# Altium PCB JD-ESPFSH-V1.PcbDoc
Units mm, origin at the board's own origin, x right, y up, seen from the top; angles counter-clockwise.
Board outline 46 x 16 mm, 2 copper layers (Top Layer, Bottom Layer); 19 components, 17 nets, 69 pads, 25 vias.
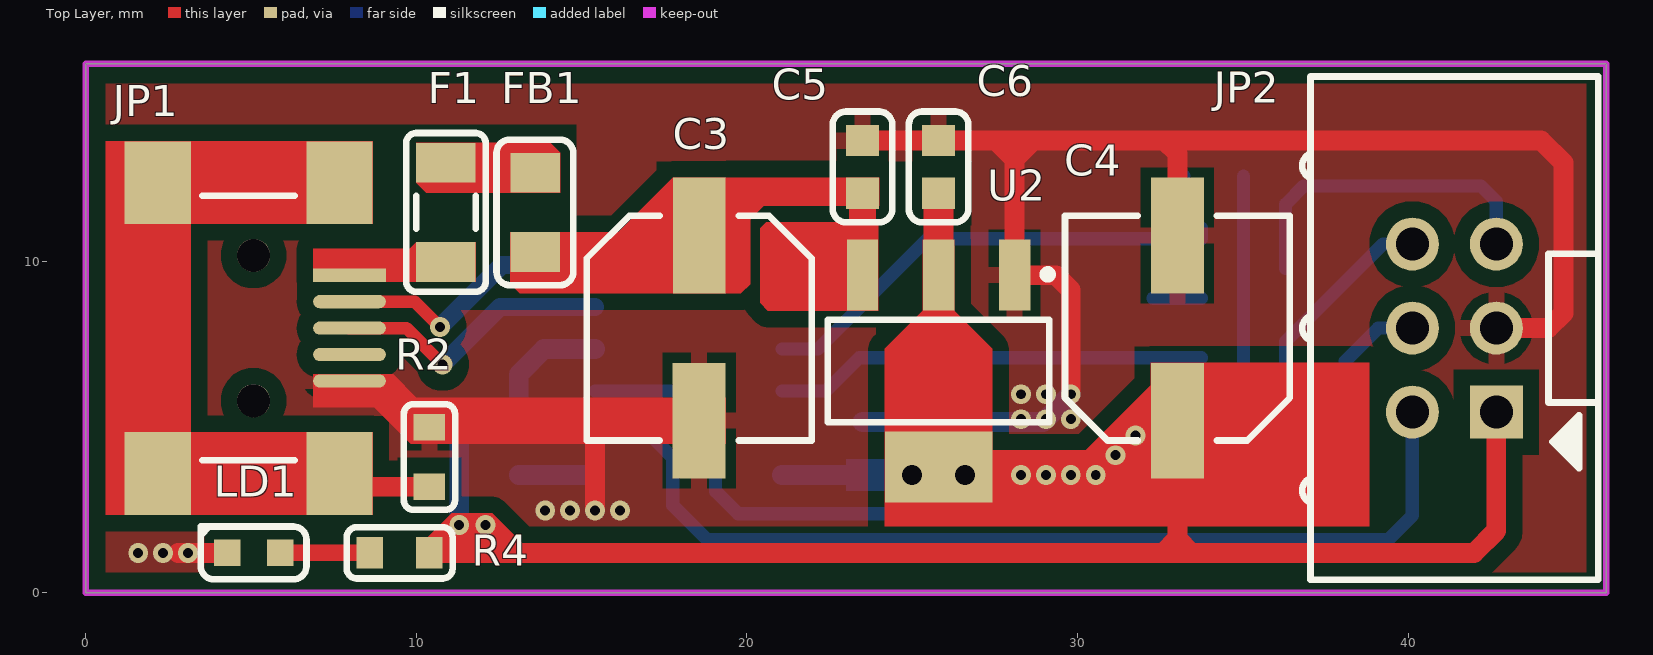
[diagram p0: Top Layer view]
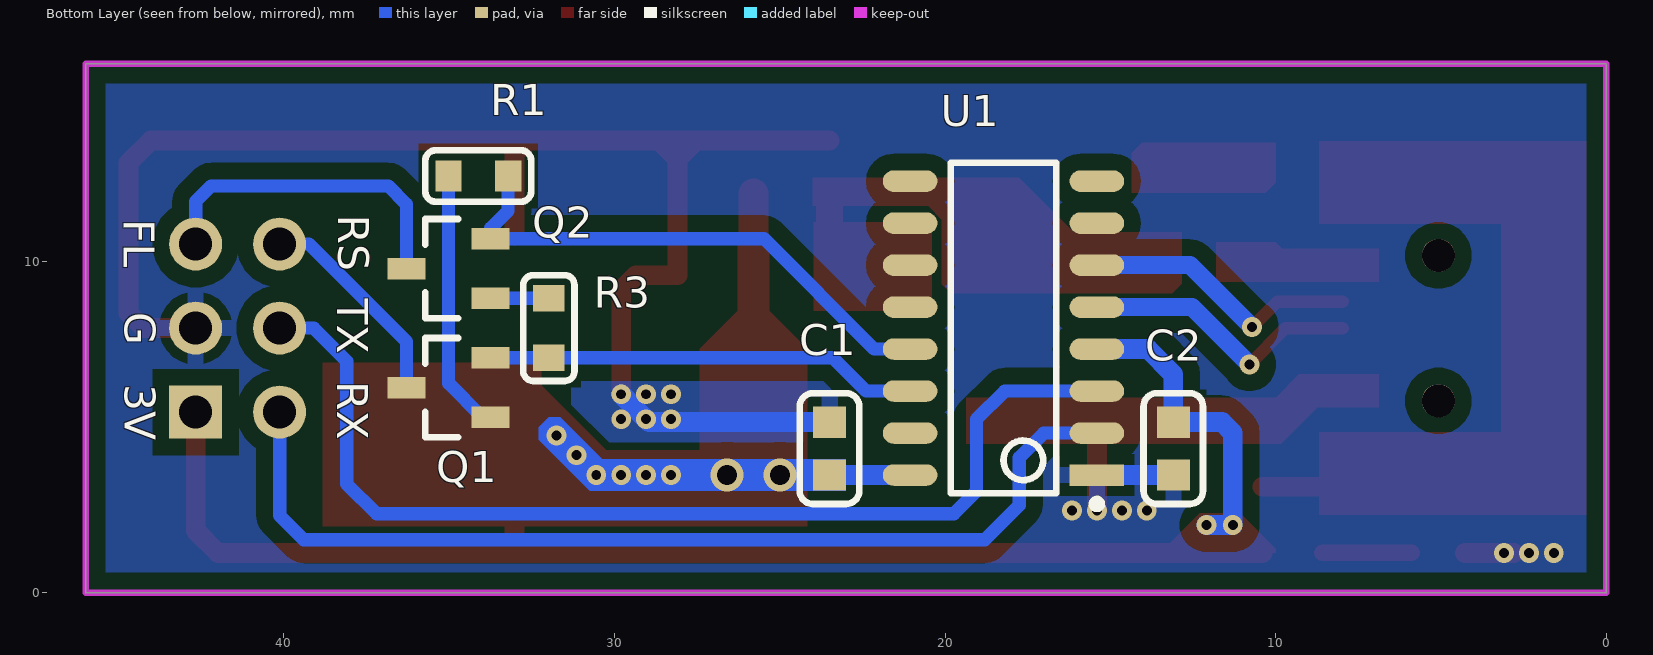
[diagram p1: Bottom Layer view, seen from below]
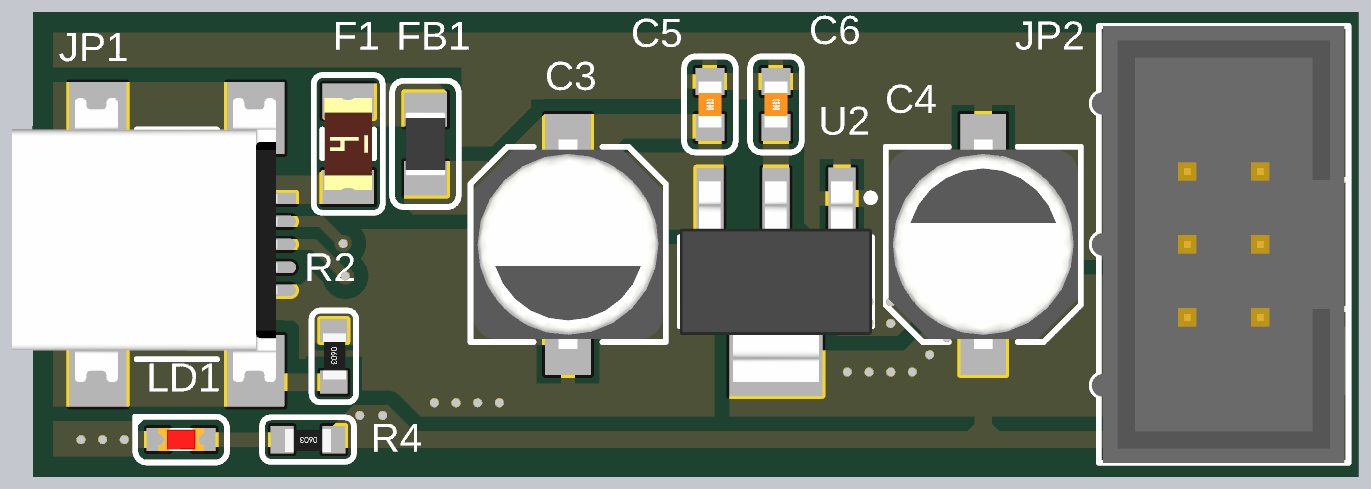
[diagram p2: 3D render of the assembled board from above, using the file's embedded part models]
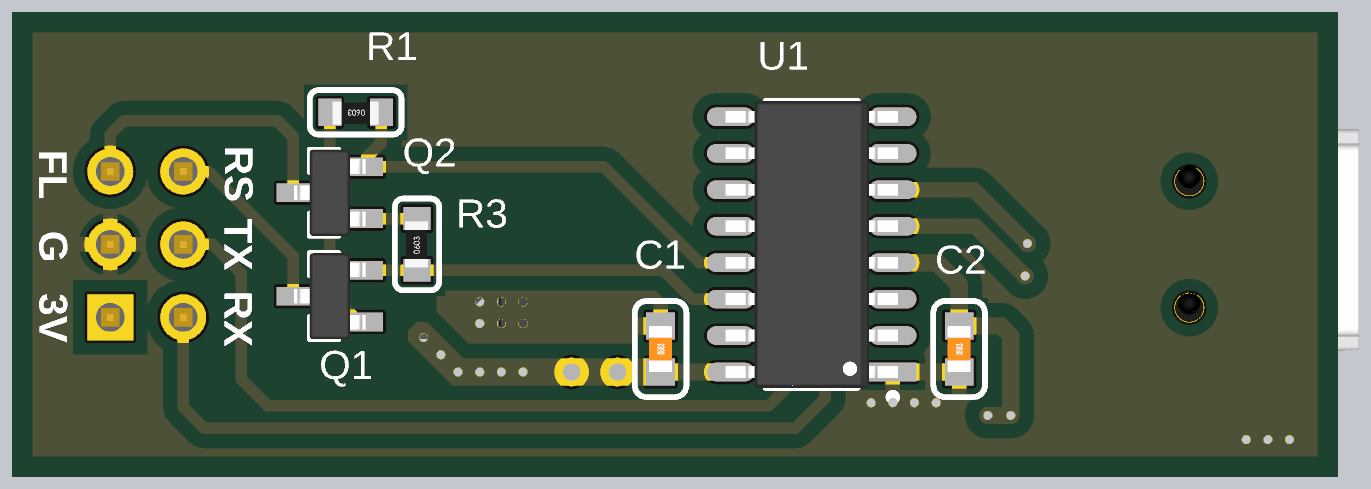
[diagram p3: 3D render of the assembled board from below, using the file's embedded part models]

## Layer stack, top to bottom
Top Solder: solder mask 0.0102, Solder Resist, Dk 3.5
Top Layer: signal copper 0.0356
Dielectric 1: dielectric 0.32, FR-4, Dk 4.8
Bottom Layer: signal copper 0.0356
Bottom Solder: solder mask 0.0102, Solder Resist, Dk 3.5

## Board outline
0,0 0,16 46,16 46,0

## Design rules (kind name [scope] priority, off if disabled: settings)
Clearance Clearance_Pour [(InPolygon AND InNet('GND'))] p1: gap=0.5 ignorepadtopadclearanceinfootprint=FALSE
Clearance [All] p2: gap=0.254 ignorepadtopadclearanceinfootprint=FALSE except(0: Arc-Hole Track-Hole SMDPad-Hole THPad-Hole Via-Hole Fill-Hole Poly-Hole Region-Hole Text-Hole)
DiffPairsRouting [All] p1: maxlimit=0.4 minlimit=0.3 mostfreqgap=0.381 toplayer_minwidth=0.3 toplayer_maxwidth=0.6 toplayer_prefwidth=0.4 bottomlayer_minwidth=0.3 bottomlayer_maxwidth=0.6 bottomlayer_prefwidth=0.4 maxuncoupledlength=12.7
MinimumSolderMaskSliver [All] p1: minsoldermaskwidth=0.127
PlaneConnect [All] p1: planeconnectstyle=Relief reliefexpansion=0.508 reliefentries=4 reliefconductorwidth=0.4 reliefairgap=0.254
PolygonConnect [All] p1: thpad.connectstyle=Relief thpad.reliefconductorwidth=0.5 thpad.reliefentries=4 thpad.polygonreliefangle="90 Angle" thpad.airgapwidth=0.3 smdpad.connectstyle=Relief smdpad.reliefconductorwidth=0.5 smdpad.reliefentries=4 smdpad.polygonreliefangle="90 Angle" smdpad.airgapwidth=0.3 via.connectstyle=Direct via.reliefconductorwidth=0.5 via.reliefentries=4 via.polygonreliefangle="90 Angle" via.airgapwidth=0.3
RoutingVias [All] p1: holewidth=0.3 width=0.6 viastyle="Through Hole" minholewidth=0.3 minwidth=0.6 maxholewidth=0.6 maxwidth=1
SilkToSilkClearance [All] p1: silktosilkclearance=0.2
SilkToSolderMaskClearance [IsPad] p1: minsilkscreentomaskgap=0.127 clearancetoexposedcopper=TRUE
SolderMaskExpansion [All] p1: expansion=0.102 istentingtop=FALSE
Width [All] p1: maxlimit=2 minlimit=0.254 preferedwidth=0.6
25 further rules are at their usual default settings.

## Classes and differential pairs
differential pair USB: +USB_P -USB_N

## Components (designator, comment, footprint, x,y, rotation, side; value= is the part's Value field where it differs from the comment)
C1 "100nF/16V" CAP-CER0603-0.8H 23.5,4.355 r90 bottom
C2 "100nF/16V" CAP-CER0603-0.8H 13.1,4.355 r90 bottom
C3 "100uF/16V" CAP-ALU-6.3D5.8H-SMD 18.559,8 r270 top
C4 "100uF/16V" CAP-ALU-6.3D5.8H-SMD 33.023,8 r90 top
C5 "100nF/16V" CAP-CER0603-0.8H 23.5,12.875 r90 top
C6 "100nF/16V" CAP-CER0603-0.8H 25.8,12.875 r90 top
F1 "6V/2A" FUS-PTC-SMD1206-1.6H 10.9,11.5 r90 top
FB1 "120mR/1.5A" IND-C0805-1.1H 13.59,11.5 r270 top
JP1 "MINI-B-RA-V1" CON-USB-MINI-B-RA-V1-SMD 3.806,8 r270 top
JP2 "IDC6S" CON-IDC6-2.54P9.3H-S-THR 41.4,8 r90 top
LD1 "RED" LED-IND0603-RED-0.6H 5.081,1.2 r180 top
Q1 "40V/0.6A" SOT23-3-1.1H 35.023,6.2 r0 bottom
Q2 "40V/0.6A" SOT23-3-1.1H 35.023,9.8 r0 bottom
R1 "1K" RES-CHP0603-0.6H 34.123,12.6 r0 bottom
R2 "1M" RES-CHP0603-0.6H 10.4,4.1 r270 top
R3 "1K" RES-CHP0603-0.6H 31.986,8 r90 bottom
R4 "10K" RES-CHP0603-0.6H 9.5,1.2 r180 top
U1 "CH340C" SOIC-16M-1.75H 18.237,8 r0 bottom
U2 "TLV1117-3.3" SOT223-4N-1.8H 25.8,6.7 r270 top

## Footprints (in the part's own frame and the unit in brackets; to place one, negate y for a bottom-side part, rotate by r counter-clockwise, add the part's x,y. Pads: shape width x height; smd on the part's side, far side on the other; paste and mask are expansions set on the pad)
CAP-ALU-6.3D5.8H-SMD [mm] "CAP ALU 6.3D5.8H BODY 6.60X6.60 SMD"
  rect 3.5x1.6 smd: 1(-2.8,0.001) 2(2.8,0)
  silkscreen extent -3.4,-3.4 3.4,3.4, body extent -3.65,-3.3 3.65,3.3, height 5.8
CAP-CER0603-0.8H [mm] "CAP CER 0805 0.8 Height SMD Density Level B"
  rect 0.95x1 smd: 1(-0.8,0) 2(0.8,0)
  silkscreen extent -1.68,-0.9 1.68,0.9, body extent -0.8,-0.4 0.8,0.4, height 0.3
CON-IDC6-2.54P9.3H-S-THR [mm] "Connector IDC6 Strangle, Pitch 2.54mm, Height 9.3mm"
  rect 1.6x1.6 hole 1: 1(-2.54,-1.27)
  round 1.6 hole 1: 2(-2.54,1.27) 3(0,-1.27) 4(0,1.27) 5(2.54,-1.27) 6(2.54,1.27)
  silkscreen extent -7.61,-4.35 7.61,4.6, body extent -7.61,-4.25 7.61,4.6, height 9.33
CON-USB-MINI-B-RA-V1-SMD [mm] "Connector, USB2.0, Type Mini B, RA, V1, SMD"
  round 1 hole 1: 0(-2.2,1.275) 0(2.2,1.275)
  rect 0.4x2.2 smd: 1(-1.6,4.175)
  oval 0.4x2.2 smd: 2(-0.8,4.175) 3(0,4.175) 4(0.8,4.175) 5(1.6,4.175)
  rect 2.5x2 smd: 6(-4.4,3.875) 6(-4.4,-1.625) 6(4.4,3.875) 6(4.4,-1.625)
  silkscreen extent -4,-0.28 4,2.52, body extent -5.1,-4.62 4.8,4.62, height 3.98
FUS-PTC-SMD1206-1.6H [mm] "FUS PTC RST 1206 SMD"
  rect 1.2x1.8 smd: 1(-1.5,0) 2(1.5,0)
  silkscreen extent -2.4,-1.2 2.4,1.2, body extent -1.6,-0.83 1.6,0.83, height 0.56
IND-C0805-1.1H [mm] "Chip Inductor, 2-Leads, Body 2.00x1.20mm, IPC Low Density"
  rect 1.2x1.5 smd: 1(-1.2,0.01) 2(1.2,0.01)
  silkscreen extent -2.2,-1.16 2.2,1.16, body extent -1.1,-0.7 1.1,0.7, height 1.1
LED-IND0603-RED-0.6H [mm] "LED INDICATION SMD-0603 Height 0.6mm RED"
  rect 0.8x0.8 smd: 1(-0.801,0) 2(0.8,0)
  silkscreen extent -1.6,-0.8 1.6,0.8, body extent -0.8,-0.4 0.8,0.4, height 0.6
RES-CHP0603-0.6H [mm] "RES CHP 1/10W 0603 SMD"
  rect 0.8x0.95 smd: 1(-0.9,0) 2(0.9,0)
  silkscreen extent -1.6,-0.77 1.6,0.77, body extent -0.8,-0.38 0.8,0.43, height 0.45
SOIC-16M-1.75H [mm] "SOP, 16-Leads, Body 9.90x3.90mm, Pitch 1.27mm, IPC Low Density"
  rect 1.65x0.65 smd: 1(-2.825,4.445)
  oval 1.65x0.65 smd: 2(-2.825,3.175) 3(-2.825,1.905) 4(-2.825,0.635) 5(-2.825,-0.635) 6(-2.825,-1.905) 7(-2.825,-3.175) 8(-2.825,-4.445) 9(2.825,-4.445) 10(2.825,-3.175) 11(2.825,-1.905) 12(2.825,-0.635) 13(2.825,0.635) 14(2.825,1.905) 15(2.825,3.175) 16(2.825,4.445)
  silkscreen extent -2.95,-5 1.6,5.44, body extent -3,-5 3,5, height 1.75
SOT23-3-1.1H [mm] "SOT23-3 1.1H SMD"
  rect 1.15x0.65 smd: 1(-1.275,0.9) 2(-1.275,-0.9) 3(1.275,0)
  silkscreen extent -0.3,-1.5 0.7,1.5, body extent -1.25,-1.5 1.25,1.5, height 1.1
SOT223-4N-1.8H [mm] "SOT223, 4-Leads, Body 6.50x7.00mm (avg), Pitch 2.30mm, IPC Medium Density"
  rect 2.15x0.95 smd: 1(-2.9,2.3) 2(-2.9,0) 3(-2.9,-2.3)
  rect 2.15x3.25 smd: 4(2.9,0)
  silkscreen extent -3.05,-3.35 1.55,3.43, body extent -3.5,-3.35 3.5,3.35, height 1.8

## Part data
C1 C2 C5 C6: library part "CAPCER0008 0603 100nF/16V", "CAP CER 100nF/16V 10% X7R 0603 SMD", MFR=YAGEO, MFR PN=CC0603KRX7R7BB104, CERT=NA, Class=B, Line=SMT, MOUNT=SMD, PRD CODE=(SAP), SRT PN=CAPCER0008, TYPE=EP, Unit=PCS
C3 C4: library part "CAPALU0012 6.3X5.8 100uF/16V SMD", "CAP ALU 100uF/16V 20% 2K105 2.2P 6.3X5.8 SMD", MFR=NICHICON, MFR PN=UUD1C101MCL1GS, CERT=NA, Class=B, Line=SMT, MOUNT=SMD, PRD CODE=(SAP), SRT PN=CAPALU0012, TYPE=EP, Unit=PCS
F1: library part "FUSPTC0001 1206 6V/2A", "FUS PTC RST 6V 2A 1206 SMD", MFR=BOURNS, MFR PN=MF-NSMF200-2, CERT=NA, Class=B, Line=DIP, MOUNT=MI, PRD CODE=(SAP), SRT PN=FUSPTC0001, TYPE=EP, Unit=PCS
FB1: library part "FILFER0003 0805 120mR/1.5A", "FIL FER CHP 1LN 120mR 25% 1.5A 1K@100MHz 0805 SMD", JLCPCB PN=C98309, MFR=SUNLORD, MFR PN=UPZ2012E102-1R5TF, CERT=NA, Class=B, Line=SMT, MOUNT=SMD, NOTE=1K@100MHz, PRD CODE=(SAP), SRT PN=FILFER0003, TYPE=EP, Unit=PCS
JP1: library part "CONUSB0001 MINI-B-RA-V1", "CON USB RCPT MINI-B 5POS RA V1 SMD", MFR=HANBO, MFR PN=MINI-501, CERT=NA, Class=B, Line=SMT, MOUNT=SMD, PRD CODE=(SAP), SRT PN=CONUSB0001, TYPE=EP, Unit=PCS
JP2: library part "CONW2B0010 IDC2.54M-6PV", "CON W2B IDC2.54M-2X3V-9H THR", MFR=XFCN, MFR PN=BH254V-6P, CERT=NA, Class=NA, Line=DIP, MOUNT=MI, NOTE=NA, PRD CODE=(SAP), SRT PN=CONW2B0010, TYPE=EP, Unit=PCS
LD1: library part "LEDIND0001 0603 RED", "LED IND RED CLR 2V 20mA 0603 SMD", MFR=WURTH, MFR PN=150060SS75000, CERT=NA, Class=B, Line=SMT, MOUNT=SMD, NOTE="80mcd~220mcd, 130deg", PRD CODE=(SAP), SRT PN=LEDIND0001, TYPE=EP, Unit=PCS
Q1 Q2: library part "BJTNPN0001 SOT23 40V/0.6A", "BJT NPN 40V 0.6A SOT23-3 SMD", MFR=ONSEMI, MFR PN=MMBT2222ALT1G, CERT=NA, Class=B, Line=SMT, MOUNT=SMD, NOTE=MMBT2222A, PRD CODE=(SAP), SRT PN=BJTNPN0001, TYPE=EP, Unit=PCS
R1 R3: library part "RESCHP0007 0603 1% 1K", "RES CHP 1K 1% 1/10W 0603 SMD", MFR=YAGEO, MFR PN=RC0603FR-071KL, CERT=NA, Class=B, Line=SMT, MOUNT=SMD, PRD CODE=(SAP), SRT PN=RESCHP0007, TYPE=EP, Unit=PCS
R2: library part "RESCHP0036 0603 1% 1M", "RES CHP 1M 1% 1/10W 0603 SMD", MFR=YAGEO, MFR PN=RC0603FR-071ML, CERT=NA, Class=B, Line=SMT, MOUNT=SMD, PRD CODE=(SAP), SRT PN=RESCHP0036, TYPE=EP, Unit=PCS
R4: library part "RESCHP0008 0603 1% 10K", "RES CHP 10K 1% 1/10W 0603 SMD", MFR=YAGEO, MFR PN=RC0603FR-0710KL, CERT=NA, Class=B, Line=SMT, MOUNT=SMD, PRD CODE=(SAP), SRT PN=RESCHP0008, TYPE=EP, Unit=PCS
U1: library part "ICSINT0008 CH340C", "ICS INT USB2UART CH340C 16SOIC SMD", MFR=WCH, CERT=NA, Class=B, Line=SMT, MFR PN=CH340C, MOUNT=SMD, PRD CODE=(SAP), SRT PN=ICSINT0008, TYPE=EP, Unit=PCS
U2: library part "ICSVRE0001 SOT223 TLV1117-3.3", "ICS VRE TLV1117-33 3V3 0.8A SOT223 SMD", MFR=TI, MFR PN=TLV1117-33CDCYR, CERT=NA, Class=A, Line=SMT, MOUNT=SMD, PRD CODE=(SAP), SRT PN=ICSVRE0001, TYPE=EP, Unit=PCS

## Via types
v1: diameter 0.6, hole 0.3, Top Layer to Bottom Layer, tented both sides, 23 vias
v2: diameter 1, hole 0.6, Top Layer to Bottom Layer, 2 vias

## Nets (pads, with @x,y where several pads share a name; then routed paths per layer and width w, separated by ;. In a path a pad name is that pad's centre, name@x,y a point inside that pad or via, vN(x,y) a via of type N, cw(c..) or ccw(c..) an arc to the next point about the centre after c; other vN are vias at no path point)
+3V3: C1.1 C2.2 C4.1 C6.1 JP2.1 R4.1 U1.4 U1.16 U2.2 U2.4 | length 65.4
  Top Layer w0.6: R4.1 12.94,1.2 ; v1(12.1,2.04) 12.94,1.2 ; C4.1 33.022,1.629 ; JP2.1 42.67,1.87 42,1.2 33.451,1.2 ; 12.94,1.2 32.593,1.2 ; 32.593,1.2 33.022,1.629 ; 32.593,1.2 33.451,1.2 ; 33.022,1.629 33.451,1.2
  Top Layer w0.9: U2.2 C6.1
  Bottom Layer w0.6: v1(12.1,2.04) v1(11.3,2.04) 11.3,4.825 11.63,5.155 C2.2 13.1,6.6 13.865,7.365 U1.4 ; U1.16 C1.1 v1(30.555,3.555) v1(31.155,4.155) v1(31.755,4.755)
  other v1: 28.29,3.555 29.045,3.555 29.8,3.555
  other v2: 25,3.555 26.6,3.555
+5V: C3.1 C5.1 FB1.2 U2.3
+VUSB: F1.2 FB1.1
DTR: Q2.2 R1.1 U1.13 | length 16.2
  Bottom Layer w0.4: U1.13 22.144,7.365 25.479,10.7 Q2.2 33.748,11.025 33.223,11.55 R1.1
ESP_FSH: JP2.5 Q2.3 | length 10
  Bottom Layer w0.4: Q2.3 36.298,11.752 36.846,12.3 42.2,12.3 42.67,11.83 JP2.5
ESP_RST: JP2.6 Q1.3 | length 6.4
  Bottom Layer w0.4: Q1.3 36.298,7.598 39.24,10.54 JP2.6
ESP_RX0: JP2.2 U1.2 | length 30.3
  Bottom Layer w0.4: U1.2 17.02,4.825 17.759,4.085 17.759,2.641 18.8,1.6 39.4,1.6 40.13,2.33 JP2.2
ESP_TX0: JP2.4 U1.3 | length 32
  Bottom Layer w0.4: U1.3 18.205,6.095 19.054,5.246 19.054,3.066 19.736,2.384 37.2,2.384 38.1,3.284 38.1,7 39.1,8 JP2.4
GND: C1.2 C2.1 C3.2 C4.2 C5.2 C6.2 JP1.5 JP2.3 LD1.2 R2.1 U1.1 U2.1 | length 57.4
  Top Layer w0.6: v1@2.8,1.2 v1(3.1,1.2) LD1.2 ; v1@15.412,2.601 15.412,4.776 15.835,5.2 C3.2 ; C5.2 C6.2 27.525,13.675 ; v1(29.8,6) 29.8,9.153 29.353,9.6 U2.1 28.1,13.1 ; C4.2 33.023,13.277 32.625,13.675 ; JP2.3 44.25,8 44.7,8.45 44.7,13 44.025,13.675 32.625,13.675 ; 27.525,13.675 28.675,13.675 ; 27.525,13.675 28.1,13.1 ; 28.1,13.1 28.675,13.675 ; 28.675,13.675 32.625,13.675
  Bottom Layer w0.6: C2.1 U1.1 ; C1.2 28.955,5.155 v1(29.045,5.245) v1(29.8,6)
  other v1: 1.59,1.2 2.345,1.2 13.902,2.484 14.657,2.484 15.412,2.484 16.167,2.484 28.29,5.245 29.8,5.245 28.29,6 29.045,6
NetF1_1: F1.1 JP1.1
NetJP1_6: JP1.6 R2.2 | length 22.7
  Top Layer w0.6: JP1.6@7.681,12.4 2.181,12.4 2.181,3.6 7.681,3.6 8.081,3.2 R2.2
NetLD1_1: LD1.1 R4.2 | length 2.7
  Top Layer w0.5: LD1.1 R4.2
NetQ1_1: Q1.1 R1.2 | length 8
  Bottom Layer w0.4: Q1.1 33.998,5.3 35.023,6.325 R1.2
NetQ2_1: Q2.1 R3.2 | length 1.5
  Bottom Layer w0.4: R3.2@32.286,8.9 Q2.1
RTS: Q1.2 R3.1 U1.14 | length 13.1
  Bottom Layer w0.4: U1.14 22.395,6.095 23.4,7.1 32.286,7.1 Q1.2
USB_N: JP1.2 U1.6 | length 8.5
  Top Layer w0.381: JP1.2 9.953,8.8 v1(10.723,8.03)
  Bottom Layer w0.55: v1(10.723,8.03) 12.597,9.905 U1.6
USB_P: JP1.3 U1.5 | length 8.6
  Top Layer w0.381: JP1.3 9.7,8 v1(10.8,6.9)
  Bottom Layer w0.55: v1(10.8,6.9) 12.535,8.635 U1.5
pads on no net: JP1.0 JP1.4 U1.7 U1.8 U1.9 U1.10 U1.11 U1.12 U1.15

## Polygon pours and split planes (outlines as drawn)
GND on Top Layer "GND_L01_P001" (solid, remove dead copper, pour order 1): 0,16 46,16 46,0 0,0
GND on Bottom Layer "GND_L02_P000" (solid, remove dead copper, pour order 0): 0,16 46,16 46,0 0,0

## Keep-outs
Keep-Out Layer:
  the board outline again, w0.2

## Other copper
Top Layer:
  pour cut-out: 14.85,14.167 14.85,8.54 8.681,8.54 8.681,14.164
  region net NetJP1_6: 0.612,13.65 0.612,2.35 3.181,2.35 3.181,13.65
  region net NetJP1_6: 8.681,4.85 1.181,4.85 1.181,2.35 8.681,2.35
  region net NetJP1_6: 8.681,13.65 1.181,13.65 1.181,11.15 8.681,11.15
  region net +3V3: 10,1.2 13.5,1.2 12.3,2.4 11.079,2.4 10,1.321
  region net +3V3: 24.175,4.3 30.256,4.3 32.222,6.266 32.222,6.95 38.83,6.95 38.83,2.007 24.175,2.007
  region net +5V: 20.4,8.759 20.634,8.525 23.975,8.525 23.975,11.2 20.587,11.2 20.4,11.013
  pour cut-out: 25.325,13.051 25.325,7.375 23.9,7.375 23.9,13.05
  region net GND: 6.881,6.6 9.3,6.6 10,5.9 19.359,5.9 19.359,4.5 9.836,4.5 8.736,5.6 6.881,5.6
  region net +5V: 12.85,10.9 16.11,10.9 17.76,12.55 19.36,12.55 19.36,9.05 13.138,9.05 12.85,9.338
  region net +3V3: 25.325,10.675 25.325,8.525 24.175,7.375 24.175,2.725 27.425,2.725 27.425,7.375 26.275,8.525 26.275,10.675
  region net +5V: 23.1,12.55 23.1,8.525 23.9,8.525 23.9,12.55
  region net +5V: 17.76,9.05 19.821,9.05 20.1,9.329 20.1,11.284 20.509,11.693 24,11.693 24,12.55 23,12.55 17.76,12.55
  region net +VUSB: 10,13.6 14.05,13.6 14.35,13.3 14.35,12.1 10.3,12.1 10,12.4
  region net NetF1_1: 6.881,9.4 11.8,9.4 11.8,10.6 10,10.6 9.8,10.4 6.881,10.4
Bottom Layer:
  pour cut-out: 34.323,8.452 34.323,2.776 31.311,2.776 31.311,8.451
  region net +3V3: 30.757,3.08 32.296,4.619 32.296,4.997 31.993,5.3 31.649,5.3 30.379,4.03 23,4.03 23,3.08

## Silkscreen, mask and mechanical layers (free items; w line width, h text height)
Bottom Overlay:
  text "RS" at 38.681,11.433 h1.6 r90
  text "FL" at 45.16,11.292 h1.6 r90
  text "TX" at 38.7,8.893 h1.6 r90
  text "G" at 45.141,8.475 h1.6 r90
  text "RX" at 38.7,6.393 h1.6 r90
  text "3V" at 45.141,6.3 h1.6 r90
Board:
  the board outline again, w0.2
Guideline:
  lines w0.1: 0,8 46,8 ; 137.5,8 137.5,8
Top Sheet:
  drawing of 69 lines, arcs and shapes, not listed
  text "APPROVALS" at 45.033,-66.007 h2
  text ".PrjTitle" at 85.43,-67.239 h2.5
  text "Title:" at 74,-67.279 h2
  text "ENG:" at 29.55,-69.81 h2.5
  text ".PrjEngineer" at 35.9,-69.815 h2.5
  text ".PrjDate" at 62.429,-69.987 h2.5
  text "Project:" at 74,-70.92 h2
  text ".PrjProjectName" at 85.43,-71.146 h2.2
  text "Rev:" at 124.8,-73.615 h2
  text "Model:" at 74,-73.644 h2
  text ".PrjModelName" at 85.43,-73.686 h2.2
  text ".PrjModelRev" at 132.42,-73.699 h2.2
  text "DSN:" at 29.55,-74.89 h2.5
  text "'.PrjDrawnBy'" at 35.9,-74.895 h2.5
  text "Part:" at 74,-76.155 h2
  text "Rev:" at 124.8,-76.155 h2
  text ".PrjPartName" at 85.43,-76.226 h2.2
  text ".PrjPartRev" at 132.42,-76.226 h2.2
  text ".PrjMaterial" at 85.43,-78.633 h2.2
  text "Material:" at 74,-78.724 h2
  text ".Print_Scale" at 124.8,-78.766 h2.2
  text "CHK:" at 29.55,-79.97 h2.5
  text ".PrjCheckedBy" at 35.9,-79.975 h2.5
  text "Sheet:" at 74,-81.262 h2
  text "Size:" at 124.8,-81.262 h2
  text "1 Of 1" at 85.43,-81.322 h2.2
  text "A4" at 132.422,-81.321 h2.2
  text ".PrjOrg" at 15.664,-82.816 h3
  text "DSN Name:" at 74,-83.787 h2
  text ".Pcb_File_Name_No_Path" at 85.43,-83.862 h2.2
  text "APR:" at 29.552,-85.055 h2.5
  text ".PrjApprovedBy" at 35.9,-85.055 h2.5
  text ".Layer_Name" at 85.43,-86.205 h2.2
  text "DWG Name:" at 74,-86.327 h2
Bottom Sheet:
  drawing of 69 lines, arcs and shapes, not listed
  text "APPROVALS" at -47.033,-66.007 h2
  text ".PrjTitle" at -87.43,-67.239 h2.5
  text "Title:" at -76,-67.279 h2
  text "ENG:" at -31.55,-69.81 h2.5
  text ".PrjEngineer" at -37.9,-69.815 h2.5
  text ".PrjDate" at -64.429,-69.987 h2.5
  text "Project:" at -76,-70.92 h2
  text ".PrjProjectName" at -87.43,-71.146 h2.2
  text "Rev:" at -126.8,-73.615 h2
  text "Model:" at -76,-73.644 h2
  text ".PrjModelName" at -87.43,-73.686 h2.2
  text ".PrjModelRev" at -134.42,-73.699 h2.2
  text "DSN:" at -31.55,-74.89 h2.5
  text "'.PrjDrawnBy'" at -37.9,-74.895 h2.5
  text "Rev:" at -126.8,-76.155 h2
  text "Part:" at -76,-76.155 h2
  text ".PrjPartRev" at -134.42,-76.226 h2.2
  text ".PrjPartName" at -87.43,-76.226 h2.2
  text ".PrjMaterial" at -87.43,-78.633 h2.2
  text "Material:" at -76,-78.724 h2
  text ".Print_Scale" at -126.8,-78.766 h2.2
  text "CHK:" at -31.55,-79.97 h2.5
  text ".PrjCheckedBy" at -37.9,-79.975 h2.5
  text "Size:" at -126.8,-81.262 h2
  text "Sheet:" at -76,-81.262 h2
  text "A4" at -134.422,-81.321 h2.2
  text "1 Of 1" at -87.43,-81.322 h2.2
  text ".PrjOrg" at -17.664,-82.816 h3
  text "DSN Name:" at -76,-83.787 h2
  text ".Pcb_File_Name_No_Path" at -87.43,-83.862 h2.2
  text ".PrjApprovedBy" at -37.9,-85.055 h2.5
  text "APR:" at -31.552,-85.055 h2.5
  text "DWG Name:" at -76,-86.327 h2
  text ".Layer_Name" at -87.43,-86.402 h2.2

## Text inside footprints (layer, text, board x,y; h text height)
JP2: Top Assembly "1" at 43.185,3.74 h1.6 r90; Top Assembly "2" at 40.645,3.739 h1.6 r90; Top Assembly "5" at 43.177,11.683 h1.6 r90; Top Assembly "6" at 40.637,11.684 h1.6 r90; Top Value "1" at 43.185,3.74 h1.6 r90; Top Value "2" at 40.645,3.739 h1.6 r90; Top Value "5" at 43.177,11.683 h1.6 r90; Top Value "6" at 40.637,11.684 h1.6 r90; Top MI Assembly "1" at 43.185,3.74 h1.6 r90; Top MI Assembly "2" at 40.645,3.739 h1.6 r90; Top MI Assembly "5" at 43.177,11.683 h1.6 r90; Top MI Assembly "6" at 40.637,11.684 h1.6 r90